# Altium PCB MD2084.PcbDoc (part 1 of 4) (continued)
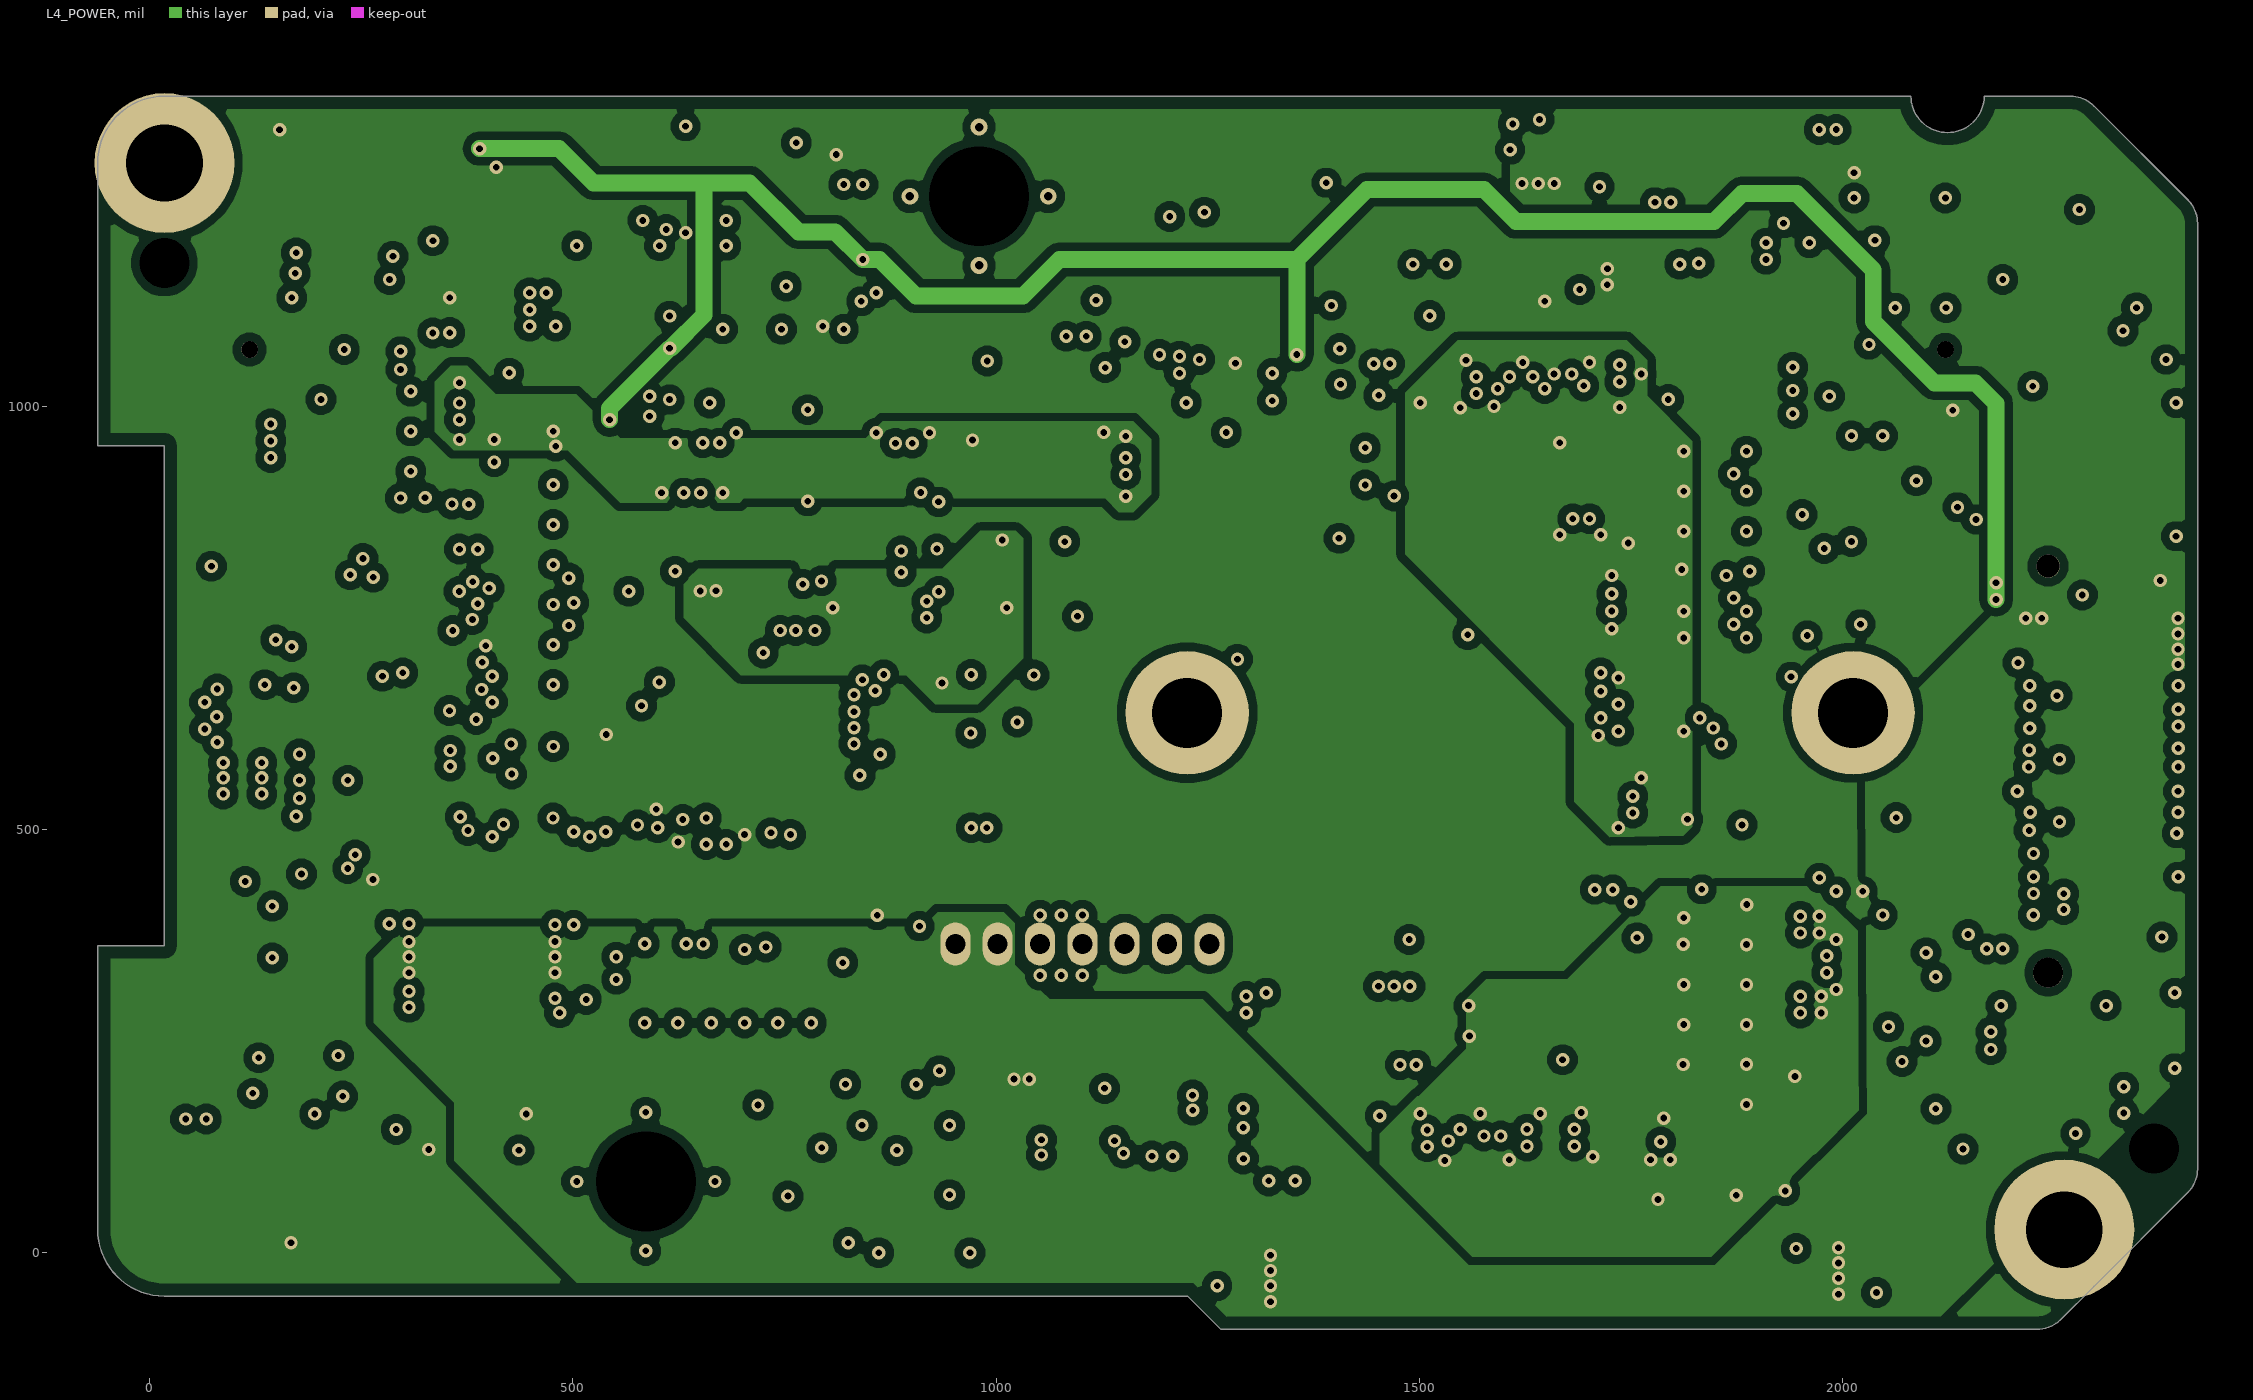
[diagram p4: L4_POWER]
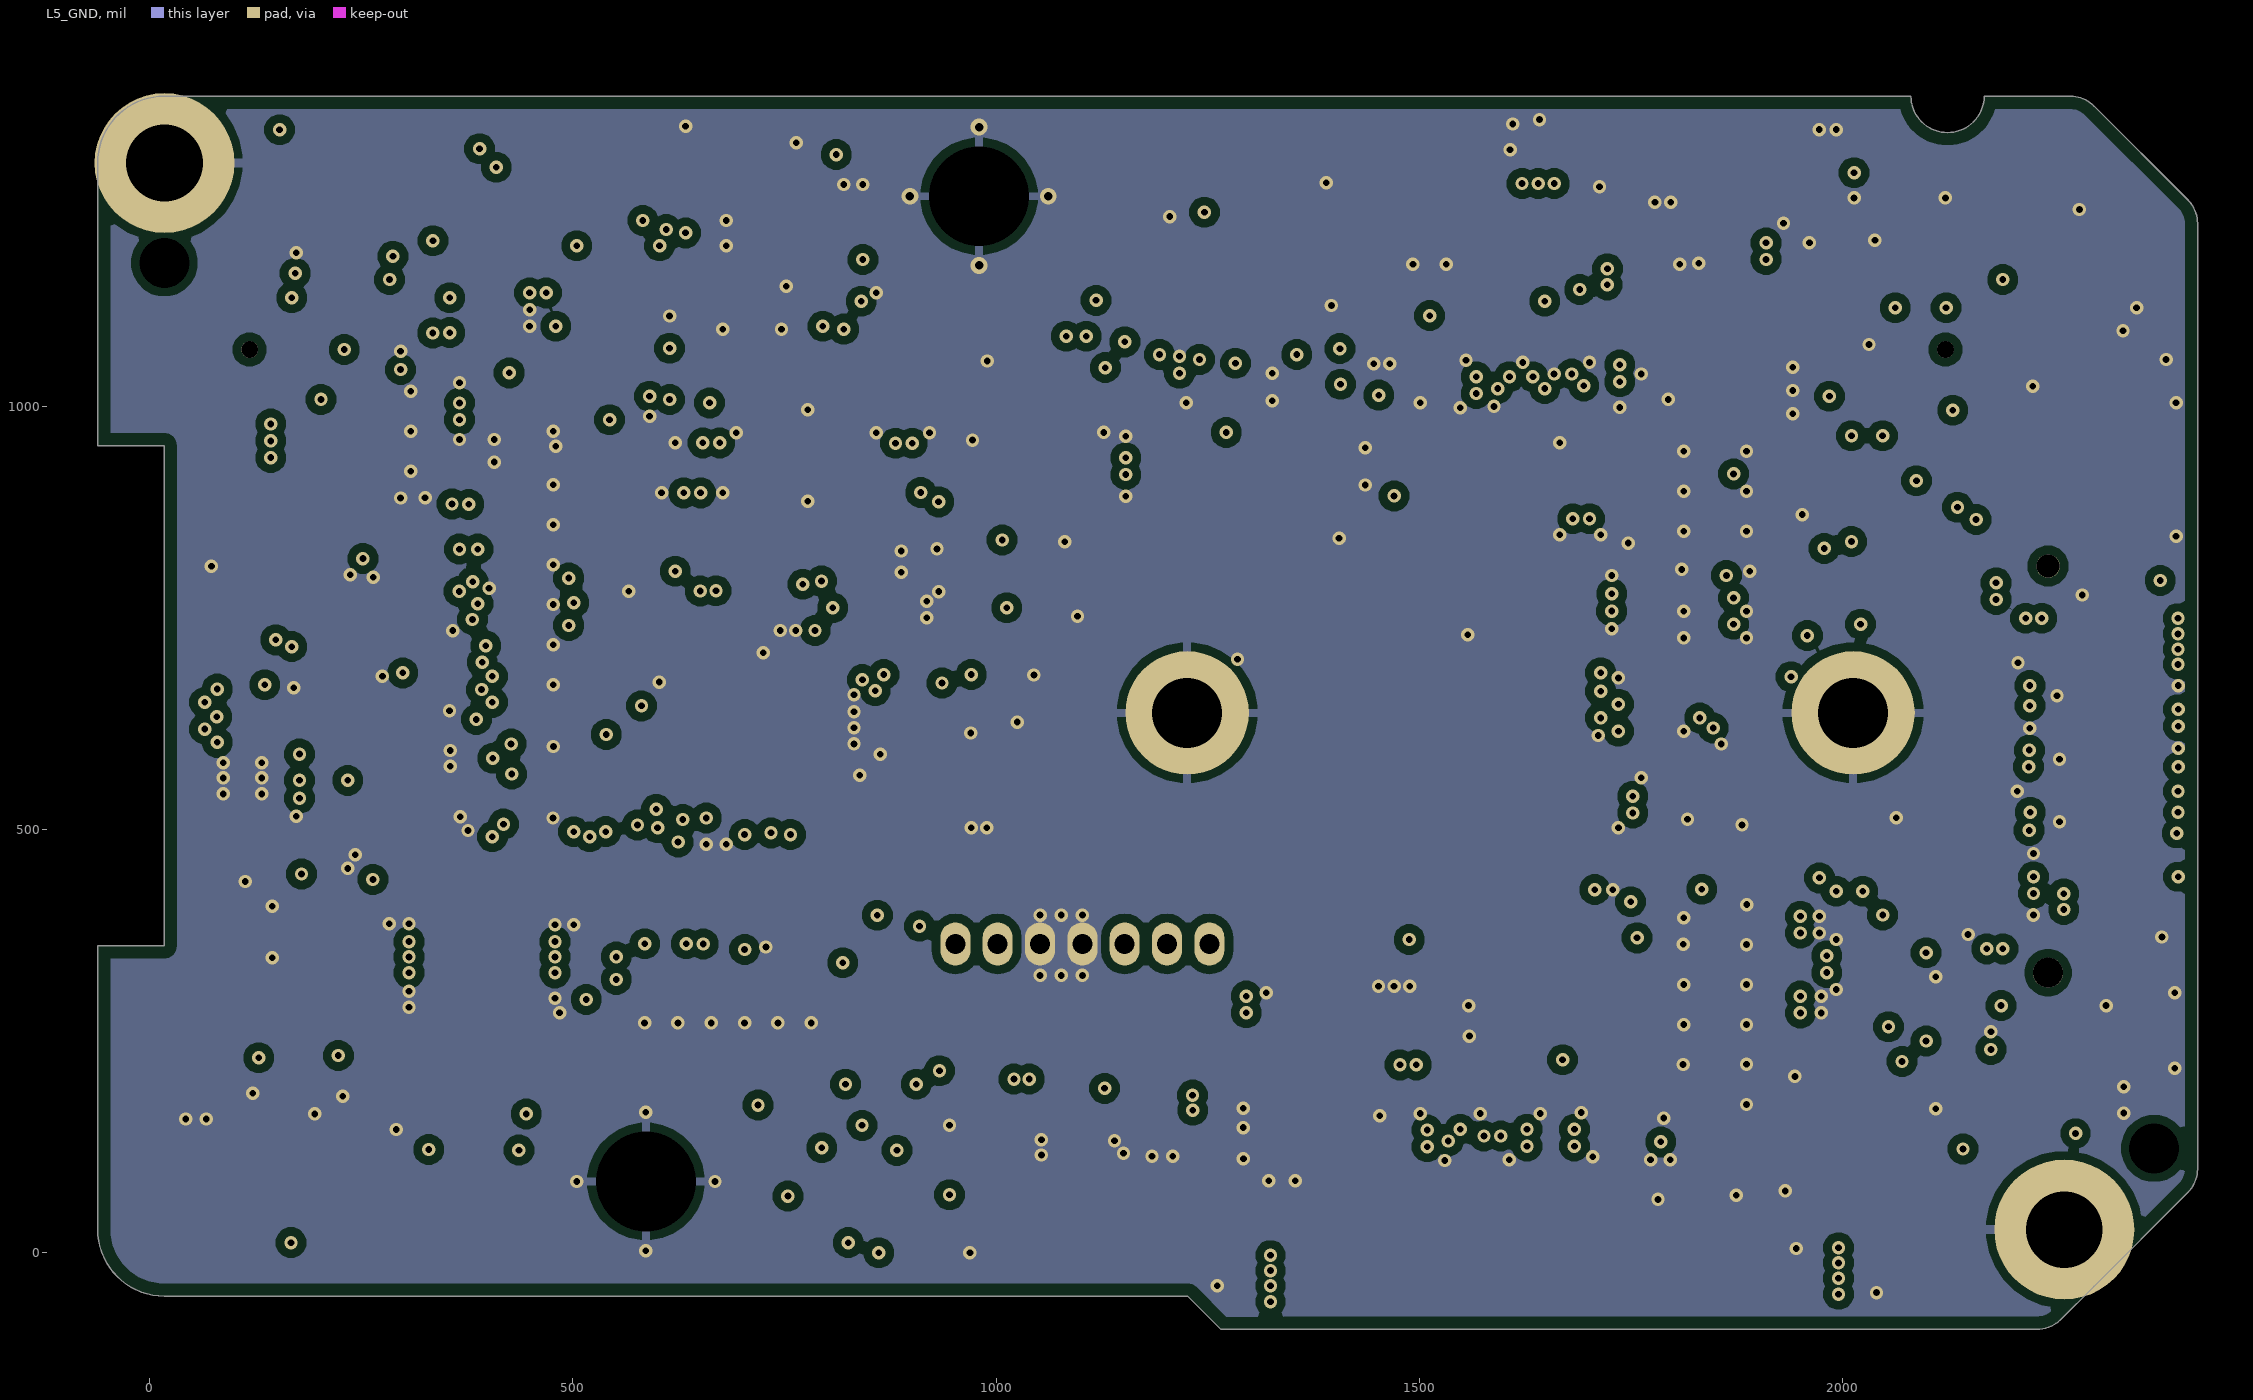
[diagram p5: L5_GND]

## Layer stack, top to bottom
Top Mask: solder mask 0.591, Solder Resist, Dk 3.8
L1_TOP: signal copper 1.378
Dielectric 1: prepreg 3.937, 2313, Dk 4.05
L2_GND: signal copper 0.709
Core 1: core 22.244, FR-4, Dk 4.5
L3_HS: signal copper 0.709
core3: prepreg 5, 2116, Dk 4.25
L4_POWER: signal copper 0.709
Core 2: core 22.244, FR-4, Dk 4.5
L5_GND: signal copper 0.709
Dielectric 3: prepreg 3.937, 2313, Dk 4.05
L6_BOT: signal copper 1.378
Bottom Mask: solder mask 0.591, Solder Resist, Dk 3.8

## Board outline
-61.28,27.55 ccw(c17.46,27.54) 17.44,-51.21 1226.12,-51.21 1265.49,-90.58 2229.36,-90.58 2229.36,-90.54 ccw(c2229.36,-51.17) 2257.2,-79 2257.29,-79.1 2296.71,-39.67 2407.5,71.12 ccw(c2379.67,98.96) 2419.04,98.96 2419.04,1215.95 ccw(c2379.67,1215.95) 2407.5,1243.79 2296.71,1354.59 ccw(c2268.87,1326.75) 2268.87,1366.12 2167.07,1366.12 cw(c2123.76,1366.51) 2080.45,1366.12 17.46,1366.12 17.44,1366.26 ccw(c17.44,1287.52) -61.3,1287.52 -61.28,1287.38 -61.28,953.32 17.46,953.32 17.46,362.77 -61.28,362.77

## Design rules (kind name [scope] priority, off if disabled: settings)
AssemblyTestPointUsage [All] p1: valid=2
BoardOutlineClearance [All] p1: gap=15 ignorepadtopadclearanceinfootprint=FALSE
Clearance Clearance_1 [WithinRoom('Romm_PCIe_IC')] p1: gap=4 ignorepadtopadclearanceinfootprint=FALSE except(0: THPad-Region Region-Hole; 10: Arc-Poly Track-Poly SMDPad-Poly THPad-Poly Via-Poly Fill-Poly Poly-Poly Poly-Region Poly-Text Poly-Hole)
Clearance Clearance_DP_to_DP [(InDifferentialPairClass('All Differential Pairs'))] p2: gap=4 ignorepadtopadclearanceinfootprint=FALSE except(0: THPad-Region Region-Hole; 10: Via-Poly Poly-Region Poly-Text Poly-Hole; 16.54: Track-Track; 20: Arc-Poly Track-Poly SMDPad-Poly THPad-Poly Fill-Poly Poly-Poly)
Clearance [(isPad or IsTrack) and HasFootprint('AC_PY154-IMX462_CON') and (InDifferentialPairClass('100ohm') or InNet('GND')) vs (isPad or IsTrack) and HasFootprint('AC_PY154-IMX462_CON') and (InDifferentialPairClass('100ohm') or InNet('GND'))] p3: gap=4 ignorepadtopadclearanceinfootprint=FALSE except(10: Arc-Poly Track-Poly SMDPad-Poly THPad-Poly Via-Poly Fill-Poly Poly-Poly Poly-Region Poly-Text Poly-Hole)
Clearance Clearance_Fill_to_Pad [InComponent('J7') vs IsPad and InComponent('J8')] p4: gap=0 ignorepadtopadclearanceinfootprint=FALSE
Clearance CCM_diffpair_keepout [HasFootprint('AC_PY154-IMX462_CON') vs HasFootprint('AC-PY004-IMX378')] p5: gap=0 ignorepadtopadclearanceinfootprint=FALSE
Clearance "DP to Poly" [InPolygon vs (InDifferentialPairClass('All Differential Pairs'))] p6: gap=20 ignorepadtopadclearanceinfootprint=TRUE
Clearance Clearance_ETH_PHY [WithinRoom('Room_clearance')] p7: gap=4 ignorepadtopadclearanceinfootprint=FALSE except(0: THPad-Region; 10: Arc-Poly Track-Poly SMDPad-Poly THPad-Poly Via-Poly Fill-Poly Poly-Poly Poly-Region Poly-Text Poly-Hole)
Clearance general [All] p8: gap=4 ignorepadtopadclearanceinfootprint=FALSE except(0: THPad-Region Region-Hole; 10: Arc-Poly Track-Poly SMDPad-Poly THPad-Poly Via-Poly Fill-Poly Poly-Poly Poly-Region Poly-Text Poly-Hole)
ComponentClearance ComponentClearance_1 [InComponent('J7') vs InComponent('J8')] p1: gap=0 collisioncheckmode=3 verticalgap=0 showdistances=FALSE
ComponentClearance [All] p2: gap=0 collisioncheckmode=3 verticalgap=11.81 showdistances=FALSE
DiffPairsRouting 90ohm [InDifferentialPairClass('90ohm')] p1: maxlimit=10 minlimit=4.72 mostfreqgap=10 toplayer_maxgap=4.72 toplayer_prefgap=4.72 toplayer_minwidth=5.3 toplayer_maxwidth=5.3 toplayer_prefwidth=5.3 midlayer1_mingap=5.91 midlayer1_maxgap=5.91 midlayer1_prefgap=5.91 midlayer1_minwidth=5.15 midlayer1_maxwidth=5.15 midlayer1_prefwidth=5.15 bottomlayer_maxgap=4.72 bottomlayer_prefgap=4.72 bottomlayer_minwidth=5.3 bottomlayer_maxwidth=5.3 bottomlayer_prefwidth=5.3 impedanceprofiledriven=TRUE impedanceprofileid={B513F42C-BCD3-466E-B136-D8CB109C8AC8} impedanceprofilevalue=90.000000 maxuncoupledlength=500
DiffPairsRouting 100ohm [InDifferentialPairClass('100ohm')] p2: maxlimit=14.57 minlimit=5 mostfreqgap=10.63 toplayer_mingap=5.12 toplayer_maxgap=5.12 toplayer_prefgap=5.12 toplayer_minwidth=3.94 toplayer_maxwidth=4.2 toplayer_prefwidth=4.2 midlayer1_mingap=7.09 midlayer1_maxgap=7.09 midlayer1_prefgap=7.09 midlayer1_minwidth=3.94 midlayer1_maxwidth=4.29 midlayer1_prefwidth=4.29 bottomlayer_mingap=5.12 bottomlayer_maxgap=5.12 bottomlayer_prefgap=5.12 bottomlayer_minwidth=3.94 bottomlayer_maxwidth=4.2 bottomlayer_prefwidth=4.2 impedanceprofiledriven=TRUE impedanceprofileid={35D093FB-CFA7-4176-BF6F-0D9106C66AB8} impedanceprofilevalue=100.000000 maxuncoupledlength=500
FabricationTestPointUsage [All] p1: valid=2 allowmultiple=FALSE
Height [All] p1: minheight=0 maxheight=1181.1 prefheight=500
HoleSize [All] p1: absolutevalues=TRUE maxlimit=150 minlimit=7.87 maxpercent=80.000 minpercent=20.000
HoleToHoleClearance [All] p1: gap=10 allowstackedmicrovias=FALSE
MatchedLengths IMU_SPI [InNetClass('IMU_SPI')] p1: tolerance=1000 checknetsindiffpair=FALSE checkdiffpairvsdiffpair=TRUE checkxsignals=TRUE checkothers=TRUE usedelayunits=TRUE delaytolerance=50.000000
MatchedLengths TH_SPI [InNetClass('TH_SPI')] p2: tolerance=1000 checknetsindiffpair=FALSE checkdiffpairvsdiffpair=TRUE checkxsignals=TRUE checkothers=TRUE usedelayunits=TRUE delaytolerance=50.000000
MatchedLengths ETH_GROUP [InNetClass('ETH')] p3: tolerance=1000 checknetsindiffpair=FALSE checkdiffpairvsdiffpair=TRUE checkxsignals=TRUE checkothers=TRUE usedelayunits=TRUE delaytolerance=50.000000
MatchedLengths DIFF_PAIR_100 [InDifferentialPairClass('All Differential Pairs')] p4: tolerance=1000 checknetsindiffpair=TRUE checkdiffpairvsdiffpair=FALSE checkxsignals=FALSE checkothers=FALSE usedelayunits=TRUE delaytolerance=1.000000
MatchedLengths USB [InxSignalClass('USB')] p5: tolerance=50 checknetsindiffpair=TRUE checkdiffpairvsdiffpair=FALSE checkxsignals=FALSE checkothers=FALSE usedelayunits=TRUE delaytolerance=1.000000
MatchedLengths SPI [InNetClass('QSPI')] p6: tolerance=1000 checknetsindiffpair=FALSE checkdiffpairvsdiffpair=TRUE checkxsignals=TRUE checkothers=TRUE usedelayunits=TRUE delaytolerance=10.000000
MatchedLengths MIPI_IMX378 [InNetClass('MIPI_IMX378')] p7: tolerance=1000 checknetsindiffpair=FALSE checkdiffpairvsdiffpair=TRUE checkxsignals=TRUE checkothers=TRUE usedelayunits=TRUE delaytolerance=1.000000
MatchedLengths MIPI_IMX462 [InNetClass('MIPI_IMX462')] p8: tolerance=1000 checknetsindiffpair=FALSE checkdiffpairvsdiffpair=TRUE checkxsignals=TRUE checkothers=TRUE usedelayunits=TRUE delaytolerance=1.000000
MinimumSolderMaskSliver USB3_Connector [HasFootprint('105450-0101')  OR HasFootprint('CX80B1-24P') OR HasFootprint('TPD4E02B04DQAR')  OR HasFootprint('RTL8111HX-CG')] p1: minsoldermaskwidth=0.1
MinimumSolderMaskSliver RTL8111 [HasFootprint('CX80B1-24P')] p2: minsoldermaskwidth=0.1
MinimumSolderMaskSliver [All] p3: minsoldermaskwidth=2
PlaneClearance [All] p1: clearance=10
PlaneConnect [All] p1: pad.planeconnectstyle=Relief pad.reliefexpansion=20 pad.reliefentries=4 pad.reliefconductorwidth=10 pad.reliefairgap=10 via.planeconnectstyle=Direct via.reliefexpansion=20 via.reliefentries=4 via.reliefconductorwidth=10 via.reliefairgap=10
PolygonConnect DirectConnect [InPolygonClass('DirectConnectPoly')] p1: connectstyle=Direct reliefconductorwidth=10 reliefentries=4 polygonreliefangle="90 Angle" airgapwidth=10
PolygonConnect OuterLayerGND_PolyClass [InPolygonClass('OuterLayerGND')] p2: thpad.connectstyle=Relief thpad.reliefconductorwidth=10 thpad.reliefentries=4 thpad.polygonreliefangle="90 Angle" thpad.airgapwidth=10 smdpad.connectstyle=Relief smdpad.reliefconductorwidth=10 smdpad.reliefentries=4 smdpad.polygonreliefangle="90 Angle" smdpad.airgapwidth=10 via.connectstyle=Direct via.reliefconductorwidth=10 via.reliefentries=4 via.polygonreliefangle="90 Angle" via.airgapwidth=10
PolygonConnect PoE_Poly [InPolygonClass('PoE_Poly')] p3: thpad.connectstyle=Direct thpad.reliefconductorwidth=10 thpad.reliefentries=4 thpad.polygonreliefangle="90 Angle" thpad.airgapwidth=10 smdpad.connectstyle=Relief smdpad.reliefconductorwidth=10 smdpad.reliefentries=4 smdpad.polygonreliefangle="90 Angle" smdpad.airgapwidth=10 via.connectstyle=Direct via.reliefconductorwidth=10 via.reliefentries=4 via.polygonreliefangle="90 Angle" via.airgapwidth=10
PolygonConnect Default [All] p4: thpad.connectstyle=Relief thpad.reliefconductorwidth=10 thpad.reliefentries=4 thpad.polygonreliefangle="90 Angle" thpad.airgapwidth=10 smdpad.connectstyle=Relief smdpad.reliefconductorwidth=10 smdpad.reliefentries=4 smdpad.polygonreliefangle="90 Angle" smdpad.airgapwidth=10 via.connectstyle=Direct via.reliefconductorwidth=10 via.reliefentries=4 via.polygonreliefangle="90 Angle" via.airgapwidth=10
RoomDefinition Romm_PCIe_IC [All] p1: confinementstyle=ConfineIn formatcopy=TRUE lockcomponents=FALSE outline 861,878 959,878 1001,836 1001,786 970.54,786 970,785.46 962,793.46 962,841.81 961.81,842 864.39,842 861,845.39
RoutingVias [All] p1: holewidth=10 width=20 viastyle="Through Hole" minholewidth=7.91 minwidth=15.83 maxholewidth=12 maxwidth=30 viatemplateguid#1={0E3B1B10-8C4A-460F-9487-BCD15501C698} viatemplatename#1=v41h20m0mx0
ShortCircuit [HasFootprint('SFV10R-2STE1HLF') and (HasPad('J1-11')or HasPad('J1-12'))] p1: allowed=TRUE
SilkToSilkClearance [All] p1: silktosilkclearance=3
SilkToSolderMaskClearance SilkscreenOverComponentException [InComponent('U15')] p1: minsilkscreentomaskgap=2 clearancetoexposedcopper=TRUE
SilkToSolderMaskClearance SilkscreenOverComponentPads [IsPad] p2: minsilkscreentomaskgap=2 clearancetoexposedcopper=TRUE
SolderMaskExpansion via [IsVia] p1: expansion=4 istentingtop=TRUE
SolderMaskExpansion [All] p2: expansion=2 istentingtop=FALSE
UnRoutedNet [All] p1: checkbadconnections=TRUE
Width [All] p1: maxlimit=40 minlimit=4.3 preferedwidth=6.19 toplayer_maxwidth=39.37 toplayer_prefwidth=6.49 midlayer1_maxwidth=39.37 midlayer2_maxwidth=39.37 midlayer3_prefwidth=4.5 midlayer4_prefwidth=4.5 bottomlayer_maxwidth=39.37 bottomlayer_prefwidth=6.49 minimp=50.000000 maximp=50.000000 favimp=50.000000
16 further rules are at their usual default settings.

## Classes and differential pairs
net class IMU_SPI: IMU_SPI_CS IMU_SPI_MISO IMU_SPI_MOSI IMU_SPI_SCK
net class TH_SPI: TH_SPI2_CS TH_SPI2_MISO TH_SPI2_MOSI TH_SPI2_SCK
net class PCIE: CLK_N CLK_P SDS_CLK_N SDS_CLK_P SDS_RXD1_N SDS_RXD1_P SDS_RXD_N SDS_RXD_P SDS_TXD_N SDS_TXD_P
component class U_IMU: C3 C4 C24 C26 C30 C31 C32 C33 C44 R4 R27 R47 R48 TP1 TP4 TP10 U4 U5 Y1
net class MIPI_IMX462: MIPI_RX4_C_N MIPI_RX4_C_P MIPI_RX4_D0_N MIPI_RX4_D0_P MIPI_RX4_D1_N MIPI_RX4_D1_P MIPI_RX5_D2_N MIPI_RX5_D2_P MIPI_RX5_D3_N MIPI_RX5_D3_P
net class MIPI_IMX378: MIPI_RX6_C_N MIPI_RX6_C_P MIPI_RX6_D0_N MIPI_RX6_D0_P MIPI_RX6_D1_N MIPI_RX6_D1_P MIPI_RX7_D2_N MIPI_RX7_D2_P MIPI_RX7_D3_N MIPI_RX7_D3_P
differential pair class 90ohm: USB_D
net class Power_trace: 1V1 NetL4_1
component class U_MIC: C53 C54 C55 C62 L3 L5 MIC1 MIC2
net class USB2: USB_D_N USB_D_P
component class U_BTB_CONN: J5
component class U_EEPROM: C2 R29 R30 R31 R32 R33 R34 R35 TP2 U1
component class U_POWER_GEN: C42 C43 C46 C48 C49 C56 C57 C58 C59 C69 C70 L2 L4 R10 R54 R55 R59 R66 R67 R68 R69 R70 R74 R75 TP3 TP5 TP6 TP7 TP9 TP13 U8 U10 U14 U20
component class U_CONNECTOR_B: B1 J4 R11 R12 R13 R14 R15 R16 R17 R18 R19 R20 R21 R22 R23 R24 R25 R60 R72 R84 R108 R114
net class PWR: 1V8 1V8_378 1V8_462 2V9 3V3 3V3_R 5V_CM PCIE_1V0 REGOUT VDD_5V
component class U_ETH_PCIE_CTRL: C5 C6 C7 C8 C9 C10 C11 C12 C13 C14 C15 C16 C17 C18 C19 C20 C21 C22 C28 C29 D1 D4 D5 L1 Q3 R8 R9 R28 R36 R37 R38 R39 R40 R41 R42 R43 R44 R77 R80 U2 U7 X1
component class U_RIGHT_CCM: C1 C23 C34 C35 C36 C37 C40 C41 C45 C47 C50 C51 C63 C64 C65 C66 C67 C68 C75 C76 FB2 FB3 FB4 J1 Q1 R2 R26 R50 R52 R53 R58 R64 R65 R73 R78 R79 R81 R82 R83 U3 U9 U16 U17
component class U_LEFT_CCM: C25 C27 C79 C80 C81 C82 C83 C84 C105 C106 C107 C108 C109 C110 FB1 FB5 FB6 J7 J8 R45 R49 R51 R61 R63 R76 R85 R86 R87 R88 R89 R90 TP8 TP11 TP12
component class U_BOOT_JTAG_AUX: D2 D3 J3 J6 J9 Q2 Q4 Q5 R3 R5 R6 R7
net class ETH: MD1_N MD1_P MD2_N MD2_P MD3_N MD3_P MD4_N MD4_P
polygon class PoE_Poly: VNEG_IN_L01_P432 VNEG_L01_P434 VNEG_L04_P456 VPOS_IN_L01_P431
polygon class DirectConnectPoly: 3V3_TOF_L01_P005 5V_LED_L01_P010 LED1_L01_P009 LED2_L01_P008 NETL6_1_L06_P020
component class TopLevel: FID1 FID2 FID3 FID4 MH1 MTG1
differential pair class 100ohm: BRIDGE_REFCLK BRIDGE_REFCLK1 CLK MD1 MD1_1 MD2 MD2_1 MD3 MD3_1 MD4 MD4_1 MIPI_RX0_C MIPI_RX0_D0 MIPI_RX0_D1 MIPI_RX0_D2 MIPI_RX0_D3 MIPI_RX1_C MIPI_RX1_D0 MIPI_RX1_D1 MIPI_RX1_D2 MIPI_RX1_D3 MIPI_RX2_C MIPI_RX2_D0 MIPI_RX2_D1 MIPI_RX3_C MIPI_RX3_D0 MIPI_RX3_D1 MIPI_RX4_C MIPI_RX4_D0 MIPI_RX4_D1 MIPI_RX5_D2 MIPI_RX5_D3 MIPI_RX6_C MIPI_RX6_D0 MIPI_RX6_D1 MIPI_RX7_D2 MIPI_RX7_D3 SDS_CLK SDS_IO_CLKI SDS_IO_CLKI1 SDS_RXD SDS_RXD1 SDS_TXD TX1 TX2 TX3 TX4
component class U_CONNECTOR_A: C38 C39 C52 J2 R1 R46 R56 R57 R62 R71 SW1 TP-SH1 U6 U12 U13
differential pair MIPI_RX7_D3: +MIPI_RX7_D3_P -MIPI_RX7_D3_N
differential pair MIPI_RX7_D2: +MIPI_RX7_D2_P -MIPI_RX7_D2_N
differential pair MIPI_RX6_D1: +MIPI_RX6_D1_P -MIPI_RX6_D1_N
differential pair MIPI_RX6_D0: +MIPI_RX6_D0_P -MIPI_RX6_D0_N
differential pair MIPI_RX6_C: +MIPI_RX6_C_P -MIPI_RX6_C_N
differential pair MIPI_RX5_D3: +MIPI_RX5_D3_P -MIPI_RX5_D3_N
differential pair MIPI_RX5_D2: +MIPI_RX5_D2_P -MIPI_RX5_D2_N
differential pair MIPI_RX4_D1: +MIPI_RX4_D1_P -MIPI_RX4_D1_N
differential pair MIPI_RX4_D0: +MIPI_RX4_D0_P -MIPI_RX4_D0_N
differential pair MIPI_RX4_C: +MIPI_RX4_C_P -MIPI_RX4_C_N
differential pair SDS_TXD: +SDS_TXD_P -SDS_TXD_N
differential pair SDS_RXD: +SDS_RXD_P -SDS_RXD_N
differential pair SDS_RXD1: +SDS_RXD1_P -SDS_RXD1_N
differential pair SDS_CLK: +SDS_CLK_P -SDS_CLK_N
differential pair CLK: +CLK_P -CLK_N
differential pair USB_D: +USB_D_P -USB_D_N
differential pair MD4: +MD4_P -MD4_N
differential pair MD3: +MD3_P -MD3_N
differential pair MD2: +MD2_P -MD2_N
differential pair MD1: +MD1_P -MD1_N

## Components (designator, comment, footprint, x,y, rotation, side; value= is the part's Value field where it differs from the comment)
B1 "434331045822" 434331045822 326,45 r180 bottom locked
C1 "GRM155R60J106ME15D" CAPC0402(1005)70_N 90,211 r90 bottom value=10µF
C2 "CL05B104KO5NFNC" CAPC0402(1005)60_L#1 793,1044 r0 top value=100nF
C3 "GRM155R60J106ME15D" CAPC0402(1005)70_L 826.77,1215.06 r270 top value=10µF
C4 "CL05B104KO5NFNC" CAPC0402(1005)60_L#1 795.28,1215.06 r270 top value=100nF
C5 "GRM188R61C475KAAJD" CAPC0603(1608)100_L 865.68,761.81 r180 bottom value=4.7µF
C6 "CL05B104KO5NFNC" CAPC0402(1005)60_L#1 761.74,708.39 r0 top value=100nF
C7 "GRM188R61C475KAAJD" CAPC0603(1608)100_L 686.78,753.64 r180 top value=4.7µF
C8 "CL05B104KO5NFNC" CAPC0402(1005)60_L#1 687.49,707.68 r180 top value=100nF
C9 "GRM188R61C475KAAJD" CAPC0603(1608)100_L 960,742 r270 bottom value=4.7µF
C10 "GRM188R61C475KAAJD" CAPC0603(1608)100_L 930.03,831.42 r90 bottom value=4.7µF
C11 "CL05B104KO5NFNC" CAPC0402(1005)60_L#1 1007,679.43 r180 top value=100nF
C12 "CL05B104KO5NFNC" CAPC0402(1005)60_L#1 940.94,926.42 r270 top value=100nF
C13 "CL05B104KO5NFNC" CAPC0402(1005)60_L#1 773,760.01 r0 top value=100nF
C14 "CL05B104KO5NFNC" CAPC0402(1005)60_L#1 949.47,629.5 r90 top value=100nF
C15 "CL05B104KO5NFNC" CAPC0402(1005)60_L#1 1062.99,751.97 r180 top value=100nF
C16 "CL05B104KO5NFNC" CAPC0402(1005)60_L#1 1039.37,858.27 r180 top value=100nF
C17 "GRM155R61E105KA12D" CAPC0402(1005)70_L 1044.58,839.91 r180 bottom value=1µF
C18 "GRM155R61E105KA12D" CAPC0402(1005)70_L 1063,752 r180 bottom value=1µF
C19 "CL05B104KO5NFNC" CAPC0402(1005)60_L#1 719.78,855.42 r180 top value=100nF
C20 "CL05B104KO5NFNC" CAPC0402(1005)60_L#1 719.78,822.42 r180 top value=100nF
C21 "CL05B104KO5NFNC" CAPC0402(1005)60_L#1 614.17,566.93 r180 bottom value=100nF
C22 "CL05B104KO5NFNC" CAPC0402(1005)60_L#1 604.72,781.33 r0 bottom value=100nF
C23 "GRM155R60J106ME15D" CAPC0402(1005)70_L 300,212 r90 bottom value=10µF
C24 "GRM155R60J106ME15D" CAPC0402(1005)70_L 779.53,1141.73 r270 top value=10µF
C25 "GRM155R60J106ME15D" CAPC0402(1005)70_L 1892.86,1054 r180 top value=10µF
C26 "CL05B104KO5NFNC" CAPC0402(1005)60_L#1 811.02,1141.73 r270 top value=100nF
C27 "GRM155R60J106ME15D" CAPC0402(1005)70_L 1337.65,147.88 r0 top value=10µF
C28 "C0402C270J5GACTU" CAPC0402(1005)60_L#1 822.83,531.5 r270 top value=27pF
C29 "C0402C270J5GACTU" CAPC0402(1005)60_L#1 992.38,536.74 r90 top value=27pF
C30 "CL05B104KO5NFNC" CAPC0402(1005)60_L#1 673.23,1330.71 r180 top value=100nF
C31 "GRM0335C1E180FA01D" CAPC0201(0603)33_L 653.54,1106.3 r180 top value=18pF
C32 "GRM0335C1E180FA01D" CAPC0201(0603)33_L 700.73,1106.5 r0 top value=18pF
C33 "CL05B104KO5NFNC" CAPC0402(1005)60_L#1 385.83,1070.87 r270 top value=100nF
C34 "GRM155R60J106ME15D" CAPC0402(1005)70_L 96.24,968 r0 bottom value=10µF
C35 "GRM155R60J106ME15D" CAPC0402(1005)70_L 222.92,941.69 r180 bottom value=10µF
C36 "GRM155R60J106ME15D" CAPC0402(1005)70_L 96.24,935.95 r0 bottom value=10µF
C37 "CL05B104KO5NFNC" CAPC0402(1005)60_L#1 96.24,903.95 r0 bottom value=100nF
C38 "CL05B104KO5NFNC" CAPC0402(1005)60_L#1 2342.52,1055.12 r180 top value=100nF
C39 "CL05B104KO5NFNC" CAPC0402(1005)60_L#1 2290,165 r180 top value=100nF
C40 "CL05B104KO5NFNC" CAPC0402(1005)60_L#1 306.46,558 r180 top value=100nF
C41 "CL05B104KO5NFNC" CAPC0402(1005)60_L#1 225.92,685 r0 top value=100nF
C42 "GRM155R61A106ME11D" CAPC0402(1005)60_L#1 1618.51,1188.39 r90 bottom value=10µF
C43 "CL05B104KO5NFNC" CAPC0402(1005)60_N 1579.14,1187.41 r90 bottom value=100nF
C44 "CL05B104KO5NFNC" CAPC0402(1005)60_L#1 385.83,1133.86 r90 top value=100nF
C45 "CL05B104KO5NFNC" CAPC0402(1005)60_L#1 641.73,444.88 r180 top value=100nF
C46 "CL05A226MQ5N6J8" CAPC0402(1005)60_L#1 1448.23,1196.27 r90 bottom value=22µF
C47 "GRM155R61E105KA12D" CAPC0402(1005)70_L 243.62,509.86 r90 top value=1µF
C48 "GRM155R61E105KA12D" CAPC0402(1005)70_N 1972.14,1275.81 r270 bottom value=1µF
C49 "GRM155R61E105KA12D" CAPC0402(1005)70_N 1779.22,1283.69 r90 bottom value=1µF
C50 "CL05B104KO5NFNC" CAPC0402(1005)60_L#1 641.73,407.48 r0 top value=100nF
C51 "GRM155R61E105KA12D" CAPC0402(1005)70_L 500.86,429.13 r270 top value=1µF
C52 "CL05B104KO5NFNC" CAPC0402(1005)60_L#1 2290,261 r180 top value=100nF
C53 "GRM188R61A106ME69D" CAPC0603(1608)100_L 1992.13,1116.22 r90 bottom value=10µF